# Altium PCB SL-CA025-ESP07S_V2.2.PcbDoc (part 1 of 2)
Units mm, origin at the board's own origin, x right, y up, seen from the top; angles counter-clockwise.
Board outline 103.07 x 31.12 mm, 2 copper layers (Top Layer, Bottom Layer); 79 components, 70 nets, 272 pads, 105 vias.
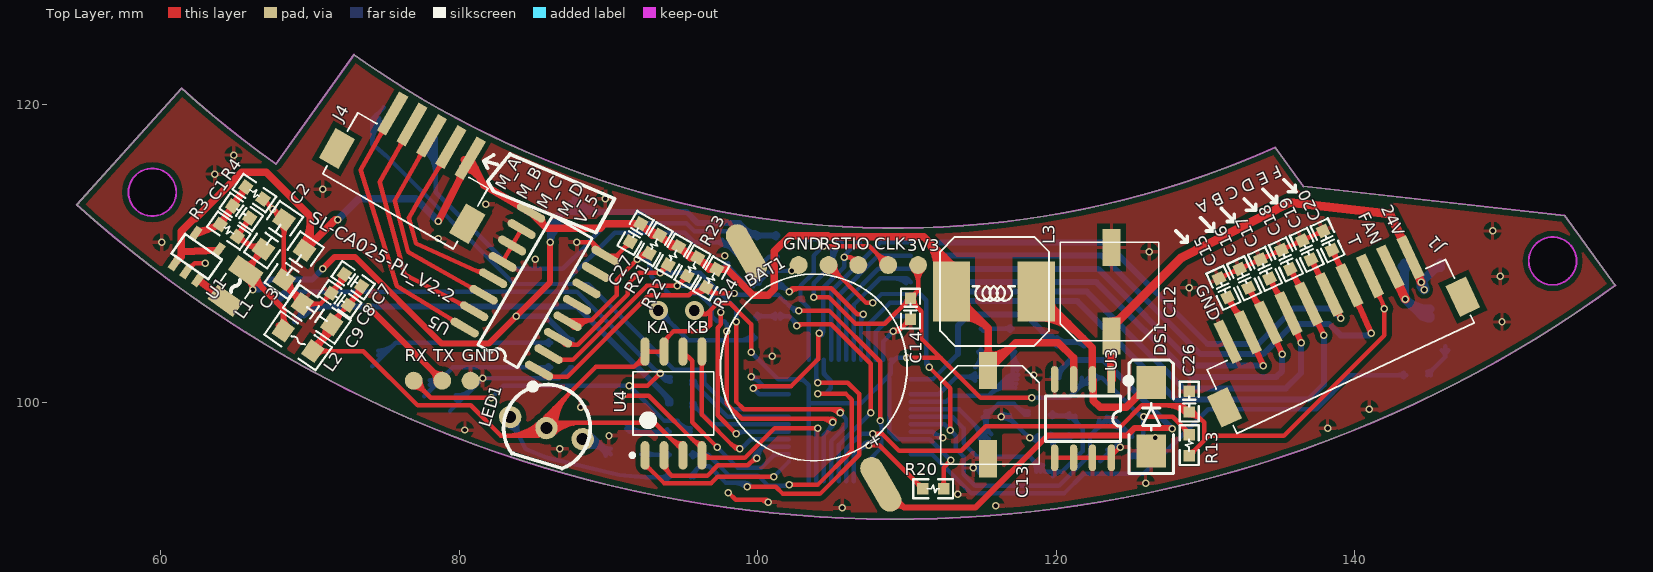
[diagram p0: Top Layer view]
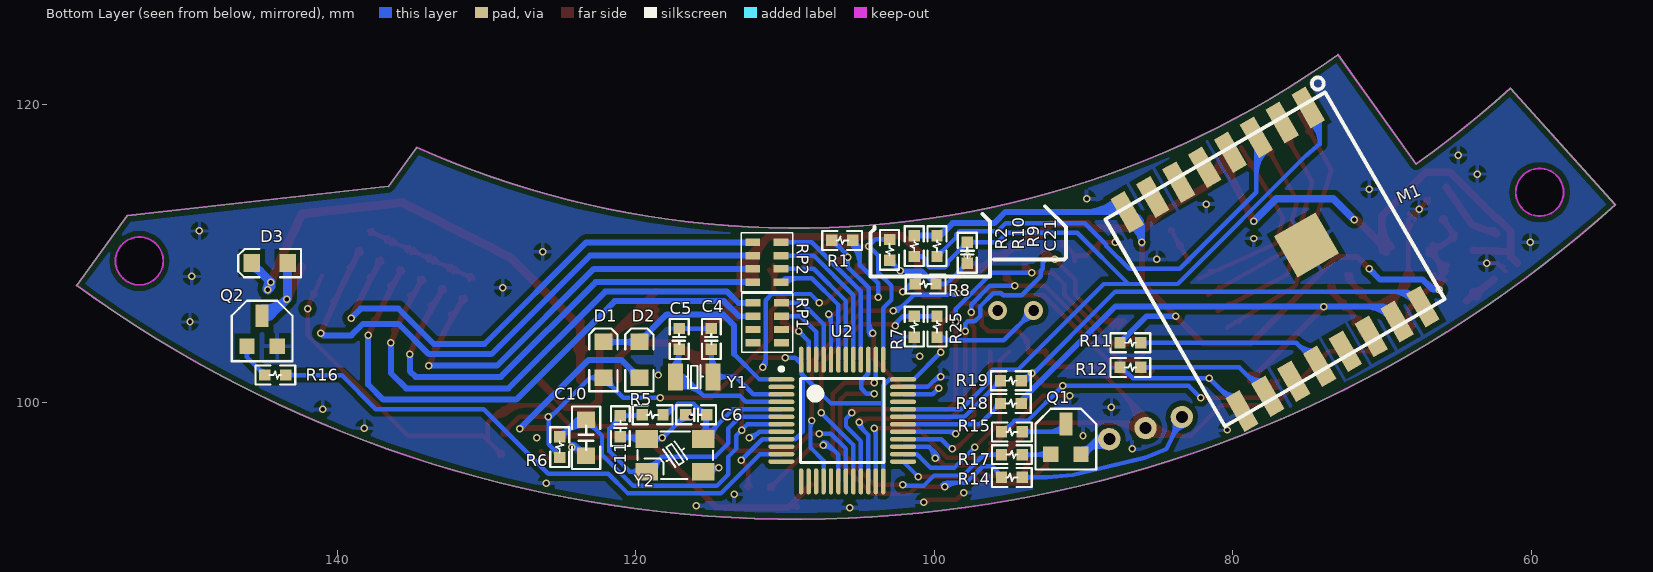
[diagram p1: Bottom Layer view, seen from below]
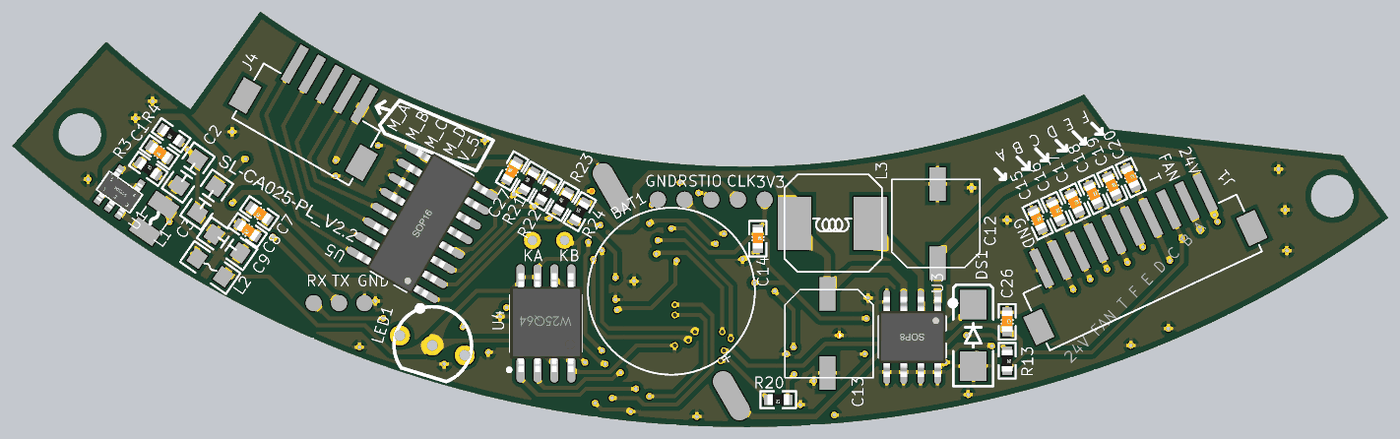
[diagram p3: 3D render of the assembled board from above, using the file's embedded part models]
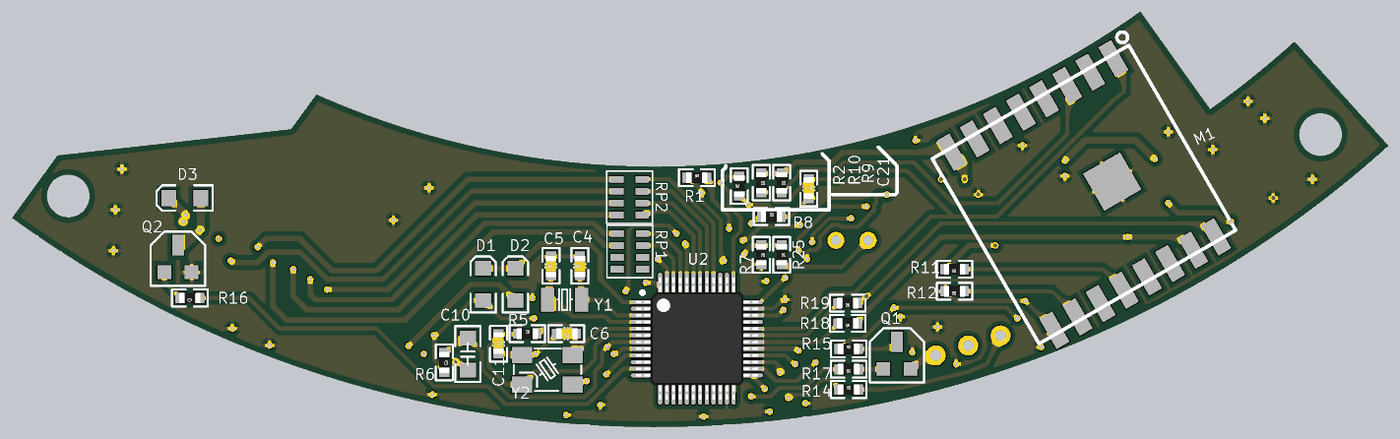
[diagram p4: 3D render of the assembled board from below, using the file's embedded part models]

## Layer stack, top to bottom
Top Layer: signal copper 0.0356
Dielectric: dielectric 0.32, FR-4, Dk 4.8
Bottom Layer: signal copper 0.0356

## Board outline
54.384,113.257 61.41,121.06 ccw(c109.253,174.195) 67.733,115.985 72.959,123.312 ccw(c109.253,174.195) 134.669,117.096 136.559,114.495 154.055,112.529 157.451,107.855 cw(c109.253,174.195)
cut-out: 59.453,112.495 cw(c59.453,114.095) 57.853,114.095 cw(c59.453,114.095) 59.453,115.695 cw(c59.453,114.095) 61.053,114.095 cw(c59.453,114.095)
cut-out: 151.653,109.495 ccw(c153.253,109.495) 153.253,107.895 ccw(c153.253,109.495) 154.853,109.495 ccw(c153.253,109.495) 153.253,111.095 ccw(c153.253,109.495)

## Design rules (kind name [scope] priority, off if disabled: settings)
Clearance Clearance_1 [InPolygon] p1: gap=0.35
Clearance [All] p2: gap=0.2
PolygonConnect [All] p1: connectstyle=Relief reliefconductorwidth=0.254 reliefentries=4 polygonreliefangle="90 Angle"
RoutingVias [All] p1: holewidth=0.711 width=1.27 viastyle="Through Hole" minholewidth=0.711 minwidth=1.27 maxholewidth=0.711 maxwidth=1.27
SilkscreenOverComponentPads [All] p1: minsilkscreentomaskgap=0.254
SolderMaskExpansion [All] p1: expansion=0.102
Width [All] p1: maxlimit=5 minlimit=0.254 preferedwidth=0.254
27 further rules are at their usual default settings.

## Classes and differential pairs
component class SL-CA025-ESP07S_V1.0: 3.3 BAT1 C1 C2 C3 C4 C5 C6 C7 C8 C9 C10 C11 C12 C13 C14 C15 C16 C17 C18 C19 C20 C21 C26 C27 CLK D1 D2 D3 DS1 GND IO J1 J4 L1 L2 L3 LED1 M1 Q1 Q2 R1 R2 R3 R4 R5 R6 R7 R8 R9 R10 R11 R12 R13 R14 R15 R16 R17 R18 R19 R20 R21 R22 R23 R24 R25 RP1 RP2 RST U1 U2 U3 U4 U5 Y2

## Components (designator, comment, footprint, x,y, rotation, side; value= is the part's Value field where it differs from the comment)
3V3 "TP" TP1 110.744,109.22 r90 top
BAT1 "BATTRY" BAT_1220 103.759,102.362 r300 top
C1 "10pF" C0603 65.405,112.776 r145 top
C2 "10uF/10V" C0805 67.564,111.252 r55 top
C3 "10uF/10V" C0805 68.961,109.22 r235 top
C4 "10P" C0603 114.935,104.267 r90 bottom
C5 "10P" C0603 117.094,104.267 r90 bottom
C6 "10P" C0603 115.951,99.187 r0 bottom
C7 "10P" C0603 72.898,108.204 r145 top
C8 "104P" C0603 72.009,106.934 r145 top
C9 "10uF" C0805 70.485,105.918 r145 top
C10 "10uF" C0805 123.317,97.663 r270 bottom
C11 "10P" C0603 121.031,98.425 r270 bottom
C12 "47uF/35V" C_SMT63(5.9*6.6mm) 123.698,107.442 r270 top
C13 "220uF/10V" C_SMT63(5.9*6.6mm) 115.443,99.187 r90 top
C14 "104P" C0603 110.236,106.299 r270 top
C15 "22P" C0603 131.191,107.696 r295 top
C16 "22P" C0603 132.588,108.331 r295 top
C17 "22P" C0603 133.985,108.966 r295 top
C18 "22P" C0603 135.382,109.601 r295 top
C19 "22P" C0603 136.779,110.236 r295 top
C20 "22P" C0603 138.176,110.871 r295 top
C21 "104" C0603 97.79,110.045 r270 bottom
C26 "33P" C0603 128.905,100.076 r270 top
C27 "Cap" C0603 91.821,111.379 r60 top
CLK "TP" TP1 108.744,109.22 r90 top
D1 "1N4148" D0805 122.174,102.87 r90 bottom
D2 "1N4148" D0805 119.761,102.87 r90 bottom
D3 "1N4148" D0805 144.526,109.347 r0 bottom
DS1 "SS26" SMA 126.365,99.06 r90 top
GND "TP" TP1 80.772,101.473 r90 top (schematic designator 3V3)
GND "TP" TP1 102.744,109.22 r90 top
IO "TP" TP1 106.744,109.22 r0 top
J1 "Header 10" CON10_1.5mm 138.43,105.156 r295 top
J4 "Header 5" con5_1.5mm 79.121,115.062 r240 top
L1 "2.2uH" L2520 65.024,107.823 r55 top
L2 "47uH" L0805 69.215,104.14 r325 top
L3 "47uH" L_SMRH_7.3x7.3 115.824,107.442 r180 top
LED1 "LED" LED_2K 85.852,98.298 r343 top
M1 "ESP-07S Module" "ESP-07S Module" 77.851,109.22 r240 bottom
Q1 "S8550" SOT23-3 91.186,97.536 r180 bottom
Q2 "S8050" SOT23-3 145.034,104.775 r180 bottom
R1 "10k" R0603 106.172,110.871 r180 bottom
R2 "10k" R0603 102.997,110.236 r90 bottom
R3 "100K" R0603 64.579,111.534 r325 top
R4 "22K" R0603 66.294,114.046 r145 top
R5 "1M" R0603 118.872,99.187 r180 bottom
R6 "10K" R0603 125.095,97.028 r270 bottom
R7 "10K" R0603 101.346,105.093 r270 bottom
R8 "10K" R0603 100.584,107.95 r180 bottom
R9 "10K" R0603 99.822,110.49 r270 bottom
R10 "10K" R0603 101.346,110.49 r270 bottom
R11 "10K" R0603 86.868,104.013 r0 bottom
R12 "1K" R0603 86.868,102.362 r0 bottom
R13 "10K" R0603 128.905,97.155 r270 top
R14 "10K" R0603 94.805,94.996 r180 bottom
R15 "1K" R0603 94.805,98.044 r180 bottom
R16 "10K" R0603 144.145,101.854 r0 bottom
R17 "10K" R0603 94.805,96.52 r0 bottom
R18 "0R" R0603 94.869,99.949 r0 bottom
R19 "0R" R0603 94.869,101.473 r0 bottom
R20 "470K" R0603 111.76,94.234 r180 top
R21 "Res1" R0603 93.091,110.617 r60 top
R22 "Res1" R0603 94.361,109.855 r60 top
R23 "Res1" R0603 95.631,109.093 r60 top
R24 "Res1" R0603 96.901,108.331 r60 top
R25 "1K" R0603 99.822,105.093 r270 bottom
RP1 "330R" RP4_0603 111.188,105.341 r180 bottom
RP2 "330R" RP4_0603 111.213,109.405 r180 bottom
RST "TP" TP1 104.744,109.22 r90 top
RX "TP" TP1 76.962,101.473 r90 top (schematic designator 3V3)
TX "TP" TP1 78.867,101.473 r90 top (schematic designator 3V3)
U1 "SY8009" SOT23-5 60.96,109.347 r145 top
U2 "STM32F103C8T6" LQFP48_9.2x9.2mm 106.172,98.806 r180 bottom
U3 "AX3007" SOP8_N 121.793,98.933 r270 top
U4 "W25Q64" SOIC8 94.361,99.949 r90 top
U5 "ULN2003" SOP16 85.09,107.442 r150 top
Y1 "32.768k" XALT_3215 116.078,101.727 r180 bottom
Y2 "8M" XALT_5032_4P 117.348,96.393 r180 bottom

## Footprints (in the part's own frame and the unit in brackets; to place one, negate y for a bottom-side part, rotate by r counter-clockwise, add the part's x,y. Pads: shape width x height; smd on the part's side, far side on the other; paste and mask are expansions set on the pad)
BAT_1220 [mm]
  oval 4x1.524 smd: 1(-8.975,-0.025) 2(9.025,-0.025)
  silkscreen extent -6.25,-6.25 6.25,6.24, body extent -8.96,-6.21 9.04,6.29, height 2
C0603 [mil]
  rect 30x30 smd: 1(-27.5,0) 2(27.5,0)
  silkscreen extent -53,-25 53,25, body extent -33,-16 30,16, height 12
C0805 [mm]
  rect 1.1x1.2 smd: 1(-1.19,-0.006) 2(1.21,-0.006)
  silkscreen extent -2.09,-0.96 2.11,0.94, body extent -1.15,-0.65 0.89,0.66, height 0.82
C_SMT63(5.9*6.6mm) [mm]
  rect 2.5x1.2 smd: 1(2.975,0) 2(-2.95,0)
  silkscreen extent -3.3,-3.43 3.3,3.17, body extent -3.77,-3.35 3.92,3.15, height 7.87
con5_1.5mm [mm] "Connector; Header; 5 Position"
  rect 2.3x1.5 smd: 0(1.95,2.775) 0(1.95,-7.3)
  rect 3x0.7 smd: 1(-1.95,-5.25) 2(-1.95,-3.75) 3(-1.95,-2.25) 4(-1.95,-0.75) 5(-1.95,0.75)
  silkscreen extent -0.83,-7.29 3.88,2.8
CON10_1.5mm [mm]
  rect 2.3x1.5 smd: 0(1.938,-8.8) 0(1.963,8.8)
  rect 3x0.7 smd: 1(-1.963,-6.75) 2(-1.963,-5.25) 3(-1.963,-3.75) 4(-1.963,-2.25) 5(-1.963,-0.75) 6(-1.963,0.75) 7(-1.938,2.25) 8(-1.938,3.75) 9(-1.913,5.25) 10(-1.913,6.75)
  silkscreen extent -0.84,-8.79 3.87,8.81, body extent -2.65,-9 3.85,9, height 3.6
D0805 [mm]
  rect 1.1x1.2 smd: 1(-1.2,0) 2(1.2,0)
  silkscreen extent -2.1,-0.95 2.1,0.95, body extent -1.35,-0.64 1.27,0.63, height 0.8
"ESP-07S Module" [mm]
  rect 3.2x3.2 smd: 0(0.22,3.092)
  rect 2.6x1.1 smd: 1(-7.7,7.775) 2(-7.7,5.762) 3(-7.7,3.775) 4(-7.7,1.775) 5(-7.7,-0.225) 6(-7.7,-2.225) 7(-7.7,-4.225) 8(-7.7,-6.225) 9(7.7,-6.225) 10(7.7,-4.225) 11(7.7,-2.225) 12(7.7,-0.225) 13(7.7,1.775) 14(7.7,3.775) 15(7.7,5.775) 16(7.7,7.769)
  silkscreen extent -9.16,-7.73 8,9.54
L0805 [mm]
  rect 1.1x1.2 smd: 1(-1.2,0) 2(1.2,0)
  silkscreen extent -2.1,-0.95 2.1,0.95, body extent -1.02,-0.65 1.02,0.65, height 0.6
L2520 [mm]
  rect 1.2x2.1 smd: 1(-1.2,0) 2(1.2,0)
  silkscreen extent -0.51,-1 0.51,1, body extent -1.68,-1.5 1.68,1.5, height 2.2
L_SMRH_7.3x7.3 [mm] "7.3x7.3x3.8mm 屏?"
  rect 2.5x4 smd: 1(-2.837,0) 2(2.838,0)
  silkscreen extent -3.69,-3.67 3.61,3.63, body extent -3.72,-3.67 3.58,3.63, height 3.8
LED_2K [mm]
  round 1.5 hole 0.8: A(0,0) K1(-2.54,0) K2(2.54,0)
  silkscreen extent -2.87,-2.3 2.93,2.92, body extent -1.75,-1.91 1.72,1.88, height 2.5
LQFP48_9.2x9.2mm [mm]
  oval 1.75x0.3 smd: 1(-4.075,2.75) 2(-4.075,2.25) 3(-4.075,1.75) 4(-4.075,1.25) 5(-4.075,0.75) 6(-4.075,0.25) 7(-4.075,-0.25) 8(-4.075,-0.75) 9(-4.075,-1.25) 10(-4.075,-1.75) 11(-4.075,-2.25) 12(-4.075,-2.75) 25(4.075,-2.75) 26(4.075,-2.25) 27(4.075,-1.75) 28(4.075,-1.25) 29(4.075,-0.75) 30(4.075,-0.25) 31(4.075,0.25) 32(4.075,0.75) 33(4.075,1.25) 34(4.075,1.75) 35(4.075,2.25) 36(4.075,2.75)
  oval 0.3x1.75 smd: 13(-2.75,-4.075) 14(-2.25,-4.075) 15(-1.75,-4.075) 16(-1.25,-4.075) 17(-0.75,-4.075) 18(-0.25,-4.075) 19(0.25,-4.075) 20(0.75,-4.075) 21(1.25,-4.075) 22(1.75,-4.075) 23(2.25,-4.075) 24(2.75,-4.075) 37(2.75,4.075) 38(2.25,4.075) 39(1.75,4.075) 40(1.25,4.075) 41(0.75,4.075) 42(0.25,4.075) 43(-0.25,4.075) 44(-0.75,4.075) 45(-1.25,4.075) 46(-1.75,4.075) 47(-2.25,4.075) 48(-2.75,4.075)
  silkscreen extent -4.2,-2.8 2.8,3.57, body extent -4.57,-4.57 4.57,4.57, height 1.62
R0603 [mil]
  rect 30x30 smd: 1(-27.5,0) 2(27.5,0)
  silkscreen extent -52,-25 52,25, body extent -31,-16 31,16, height 12
RP4_0603 [mm]
  rect 1x0.5 smd: 1(-0.952,1.339) 2(-0.953,0.45) 3(-0.953,-0.439) 4(-0.953,-1.328) 5(0.952,-1.339) 6(0.953,-0.439) 7(0.953,0.439) 8(0.953,1.339)
  silkscreen extent -1.71,-1.96 1.71,1.97, body extent -0.81,-1.61 0.79,1.59, height 0.61
SMA [mm] "5.6x3.0mm"
  rect 2.2x2 smd: 1(-2.3,0) 2(2.3,0)
  silkscreen extent -3.8,-1.5 3.8,1.5, body extent -2.7,-1.25 2.6,1.29, height 2.1
SOIC8 [mm]
  oval 1.9x0.6 smd: 1(-3.475,1.905) 2(-3.475,0.635) 3(-3.475,-0.635) 4(-3.475,-1.905) 5(3.475,-1.905) 6(3.475,-0.635) 7(3.475,0.635) 8(3.475,1.905)
  silkscreen extent -3.6,-2.7 2.13,2.88, body extent -3.65,-2.72 3.76,2.68, height 1.85
SOP8_N [mm]
  rect 1.8x0.5 smd: 1(-2.625,1.905)
  oval 1.8x0.5 smd: 2(-2.625,0.635) 3(-2.625,-0.635) 4(-2.625,-1.905) 5(2.625,-1.905) 6(2.625,-0.635) 7(2.625,0.635) 8(2.625,1.905)
  silkscreen extent -2.69,-2.5 1.52,3.2, body extent -3,-2.5 3,2.5, height 1.9
SOP16 [mm]
  oval 2.1x0.55 smd: 1(-2.875,4.445) 2(-2.875,3.175) 3(-2.875,1.905) 4(-2.875,0.635) 5(-2.875,-0.635) 6(-2.875,-1.905) 7(-2.875,-3.175) 8(-2.875,-4.445) 9(2.875,-4.445) 10(2.875,-3.175) 11(2.875,-1.905) 12(2.875,-0.635) 13(2.875,0.635) 14(2.875,1.905) 15(2.875,3.175) 16(2.875,4.445)
  silkscreen extent -3.2,-5 1.52,5.74, body extent -3,-5 3,5, height 1.9
SOT23-3 [mil]
  rect 40x40 smd: 1(-40,-39.02) 2(40,-39.02)
  rect 35x60 smd: 3(0,40.98)
  silkscreen extent -80,-79 80,81, body extent -57,-44 57,46, height 39
SOT23-5 [mm]
  rect 0.5x1 smd: 1(0,0) 2(-0.95,0) 3(-1.9,0) 4(-1.9,-2.4) 5(0,-2.4)
  silkscreen extent -2.45,-2 0.55,-0.4, body extent -2.4,-2.6 0.5,0.2, height 1.09
TP1 [mm]
  round 1.2 smd: 1(0,0)
XALT_3215 [mm]
  rect 1x1.8 smd: 1(-1.261,0) 2(1.261,0)
  silkscreen extent -0.52,-0.79 0.58,0.8, body extent -1.6,-0.75 1.6,0.75, height 0.8
XALT_5032_4P [mm]
  rect 1.5x1.2 smd: 1(-1.922,-1.022) 2(-1.922,1.18) 3(1.871,1.18) 4(1.871,-1.022)
  silkscreen extent -2.54,-1.51 2.52,1.67, body extent -2.49,-1.51 2.51,1.69, height 1.2

## Part data
C27: "Capacitor"
D1 D2 D3 DS1: library part DIODE, "DIODE"
J1: library part "Header 10H", "Header, 10-Pin, Right Angle"
J4: "Header, 5-Pin"
L3: library part INDUCTOR, "Inductor"
LED1: library part LED_2K, "共?"
Q1: library part PNP
R9 R10 R11 R12 R13 R20: library part Res1, "Resistor"
R21 R22 R23 R24: "Resistor"
U5: "电?"

## Via types
v1: diameter 0.5, hole 0.3, Top Layer to Bottom Layer, 103 vias
v2: diameter 1.27, hole 0.711, Top Layer to Bottom Layer, 2 vias

## Nets (pads, with @x,y where several pads share a name; then routed paths per layer and width w, separated by ;. In a path a pad name is that pad's centre, name@x,y a point inside that pad or via, vN(x,y) a via of type N, cw(c..) or ccw(c..) an arc to the next point about the centre after c; other vN are vias at no path point)
ADC_KEY: R20.2 U2.18 | length 10.4
  Top Layer w0.3: v1(107.442,97.155) 108.14,97.155 R20.2@111.061,94.234 ; R20.2@110.83,94.234 ccw(c110.273,94.234) 110.667,94.628 ccw(c111.061,95.023) R20.2@111.061,94.465
  Bottom Layer w0.3: U2.18@106.422,94.731 106.422,96.516 107.188,97.282 ; 106.621,96.715 cw(c107.442,95.894) v1@107.442,97.055 ; 107.133,97.227 cw(c107.442,96.918) v1@107.442,97.355 ; v1@107.343,97.144 ccw(c107.188,97.126) 107.188,97.282 ; v1(107.442,97.155) 107.315,97.282 107.188,97.282
BOOT0: R8.1 U2.44 | length 12.8
  Top Layer w0.3: v1(102.108,107.442) 102.327,107.661 104.937,107.661 106.68,105.918 v1(107.061,105.918) ; v1@102.179,107.371 cw(c102.878,106.672) 102.878,107.661
  Bottom Layer w0.3: R8.1@101.275,108.019 cw(c101.33,107.542) 101.669,107.881 ; R8.1@101.282,107.95 101.6,107.95 v1(102.108,107.442) ccw(c101.42,106.754) R8.1@101.309,107.721 ; U2.44@106.922,102.881 106.922,105.906 107.061,106.045 v1(107.061,105.918) ; 106.922,105.341 cw(c107.638,105.341) v1@107.132,105.847
BOOT1: R7.1 R25.1 U2.20 | length 21.5
  Top Layer w0.3: v1(102.616,105.156) 102.708,105.248 104.937,105.248 107.569,102.616 v1(107.569,99.314) ; v1@102.687,105.085 cw(c103.08,104.692) 103.08,105.248
  Bottom Layer w0.3: R25.1@99.822,105.791 R7.1@101.346,105.791 102.108,105.791 102.616,105.283 v1(102.616,105.156) ; R25.1@99.985,105.628 cw(c100.38,105.233) 100.38,105.791 cw(c100.38,106.349) R25.1@99.985,105.954 ; R7.1@101.183,105.628 ccw(c100.788,105.233) 100.788,105.791 ccw(c100.788,106.349) R7.1@101.183,105.954 ; R7.1@101.509,105.628 cw(c101.904,105.233) 101.904,105.791 cw(c101.904,106.349) R7.1@101.509,105.954 ; 102.355,105.544 cw(c101.968,105.156) v1@102.516,105.156 ; U2.20@105.422,94.731 105.422,97.167 v1(107.569,99.314)
CS: U2.12
DC: U2.14
FAN: D3.1 J1.9 Q2.3 | length 10.5
  Top Layer w0.6: J1.9@142.38,109.108 v1(143.383,106.934)
  Bottom Layer w0.6: D3.1@143.149,109.12 cw(c142.722,108.693) 143.326,108.693 cw(c143.93,108.693) D3.1@143.503,109.12 ; D3.1@143.326,109.347 143.326,106.991 v1(143.383,106.934) ; 144.369,105.948 ccw(c145.021,106.6) Q2.3@145.046,105.678 ; Q2.3@145.03,106.278 cw(c144.969,108.52) v1(143.383,106.934) ; Q2.3@145.034,105.816 144.501,105.816 v1(143.383,106.934)
FAN_PWM: R16.1 U2.11 | length 38.5
  Bottom Layer w0.3: U2.11@110.247,96.556 111.678,96.556 114.313,93.921 120.523,93.921 121.852,95.25 125.857,95.25 130.175,99.568 137.414,99.568 139.7,101.854 R16.1@143.446,101.854 ; R16.1@143.283,101.691 ccw(c142.889,101.296) 142.889,101.854 ccw(c142.889,102.412) R16.1@143.283,102.017
GND: BAT1.1 C2.2 C3.2 C4.2 C5.2 C6.2 C7.2 C8.2 C9.2 C10.2 C11.2 C12.2 C13.2 C14.2 C15.1 C16.1 C17.1 C18.1 C19.1 C20.1 C21.2 C26.1 C27.1 DS1.1 GND.1 J1.1 M1.0 M1.9 Q2.2 R2.1 R4.1 R7.2 R8.2 R12.2 U1.2 U2.8 U2.23 U2.35 U2.47 U3.4 U3.5 U3.6 U3.7 U3.8 U4.4 U5.8 U5.10 U5.11 U5.12 Y2.2 Y2.4 | length 146.7
  Top Layer w0.3: U1.2@61.738,108.802 62.283,109.347 v1(62.992,109.347) ; U1.2@61.882,109.107 ccw(c61.882,109.497) 62.157,109.221 ; R4.1@66.866,113.414 cw(c66.866,112.878) 67.245,113.257 ; R4.1@66.866,113.645 66.866,113.636 C2.2@68.263,112.24 68.263,107.851 C9.2@69.497,106.617 70.719,106.617 C8.2@71.437,107.335 72.326,108.224 C7.2@72.326,108.605 ; R4.1@67.097,113.645 ccw(c67.676,113.645) 67.267,113.236 ; v1(67.531,112.972) cw(c66.827,112.268) C2.2@67.822,112.268 ; v1@67.56,112.942 ccw(c68.222,113.604) C2.2@68.222,112.668 ; v1@67.627,112.998 ccw(c67.896,113.07) 67.757,112.829 ; C3.2@67.938,108.544 ccw(c67.154,109.328) 68.263,109.328 ; C2.2@68.021,111.928 cw(c67.437,111.344) 68.263,111.344 ; 68.263,109.125 ccw(c69.085,109.125) C3.2@68.504,108.544 ; 68.263,111.146 cw(c69.369,111.146) C2.2@68.587,111.928 ; C3.2@68.403,108.204 ccw(c69.591,108.204) 68.751,107.364 ; C3.2@68.703,108.204 ccw(c70.615,108.204) C9.2@69.263,106.851 ; 68.724,107.39 ccw(c69.526,108.192) C9.2@69.526,107.058 ; 68.771,107.703 ccw(c69.995,108.41) C9.2@69.63,107.044 ; 68.893,107.222 cw(c68.329,106.658) C9.2@69.126,106.658 ; 69.088,107.155 cw(c68.639,106.896) C9.2@69.14,106.762 ; 69.134,107.076 ccw(c69.73,107.42) C9.2@69.552,106.755 ; C9.2@69.809,106.375 cw(c70.393,105.791) 70.393,106.617 ; C9.2@69.809,106.941 ccw(c70.591,107.723) 70.591,106.617 ; C8.2@71.206,107.335 cw(c70.648,107.335) 71.042,106.94 cw(c71.437,106.546) C8.2@71.437,107.104 ; C8.2@71.377,107.558 ccw(c71.16,108.368) 71.887,107.949 ; C8.2@71.437,107.566 ccw(c71.437,108.123) 71.831,107.729 ccw(c72.226,107.335) C8.2@71.668,107.335 ; C8.2@71.662,107.56 ccw(c70.617,108.605) C7.2@72.095,108.605 ; 72.174,108.072 ccw(c71.642,108.605) C7.2@72.395,108.605 ; U5.12@82.885,109.55 ccw(c82.807,109.842) 83.069,109.691 ccw(c83.33,109.54) U5.12@83.038,109.462 ; U5.12@82.918,109.429 U5.11@83.553,110.529 U5.10@84.188,111.629 ; U5.11@83.432,110.497 cw(c83.14,110.419) 83.402,110.268 cw(c83.663,110.117) U5.11@83.585,110.409 ; U5.11@83.52,110.65 ccw(c83.442,110.942) 83.704,110.791 ccw(c83.965,110.64) U5.11@83.673,110.562 ; U5.10@84.067,111.597 cw(c83.775,111.519) 84.037,111.368 cw(c84.298,111.217) U5.10@84.22,111.508 ; v1(87.884,110.744) 88.912,110.744 ; U5.8@89.014,110.284 ccw(c88.603,110.435) 88.912,110.744 ; U5.8@90.598,109.466 cw(c91.647,109.466) 90.906,110.208 ; v1(90.932,100.457) 92.71,100.457 96.266,96.901 U4.4@96.266,96.474 96.439,96.301 99.135,96.301 101.132,98.298 v1(104.013,98.298) ; C27.1@91.241,110.774 cw(c90.683,110.774) 91.077,110.38 cw(c91.472,109.985) C27.1@91.472,110.543 ; C27.1@91.472,110.774 90.552,109.854 U5.8@89.802,109.854 88.912,110.744 ; 95.629,97.538 ccw(c96.266,98.175) U4.4@96.266,97.274 ; U4.4@96.372,96.58 ccw(c97.046,97.254) 97.046,96.301 ; v1(98.044,93.98) 98.532,93.492 100.597,93.492 100.711,93.378 v1(100.711,93.345) ; 100.115,93.492 cw(c100.115,92.749) v1@100.64,93.274 ; v1(109.093,104.775) 109.41,104.775 C14.2@110.236,105.6 ; v1@109.093,104.875 ccw(c109.093,105.883) 109.806,105.17 ; C14.2@110.005,105.6 cw(c109.447,105.6) 109.842,105.206 cw(c110.236,104.812) C14.2@110.236,105.369 ; U3.5@119.817,96.237 U3.5@119.888,96.308 U3.7@122.428,96.308 U3.8@123.698,96.308 123.698,96.441 v1(124.285,97.028) ; DS1.1@125.913,96.308 DS1.1@126.365,96.76 ; C15.1@130.896,108.329 C16.1@132.293,108.964 C17.1@133.69,109.599 C18.1@135.087,110.234 C19.1@136.484,110.869 C20.1@137.881,111.504 ; C15.1@130.977,108.545 ccw(c131.173,109.068) 131.403,108.56 ccw(c131.634,108.052) C15.1@131.112,108.248 ; C16.1@132.077,109.045 cw(c131.554,109.241) 131.785,108.733 cw(c132.016,108.226) C16.1@132.212,108.748 ; C16.1@132.374,109.18 ccw(c132.57,109.703) 132.8,109.195 ccw(c133.031,108.687) C16.1@132.509,108.883 ; C17.1@133.474,109.68 cw(c132.951,109.876) 133.182,109.368 cw(c133.413,108.861) C17.1@133.609,109.383 ; C17.1@133.771,109.815 ccw(c133.967,110.338) 134.197,109.83 ccw(c134.428,109.322) C17.1@133.906,109.518 ; C18.1@134.871,110.315 cw(c134.348,110.511) 134.579,110.003 cw(c134.81,109.496) C18.1@135.006,110.018 ; C18.1@135.168,110.45 ccw(c135.364,110.973) 135.594,110.465 ccw(c135.825,109.957) C18.1@135.303,110.153 ; C19.1@136.268,110.95 cw(c135.745,111.146) 135.976,110.638 cw(c136.207,110.131) C19.1@136.403,110.653 ; C19.1@136.565,111.085 ccw(c136.761,111.608) 136.991,111.1 ccw(c137.222,110.592) C19.1@136.7,110.788 ; C20.1@137.665,111.585 cw(c137.142,111.781) 137.373,111.273 cw(c137.604,110.766) C20.1@137.8,111.288
  Bottom Layer w0.3: M1.9@79.392,99.439 v1(81.584,101.631) 86.695,101.631 87.426,102.362 R12.2@87.567,102.362 ; M1.9@79.767,100.189 ccw(c79.767,101.093) 80.406,100.453 ; M1.9@79.767,100.489 ccw(c79.767,102.117) 80.918,100.966 ; 86.933,101.869 cw(c87.567,101.235) R12.2@87.567,102.131 ; C21.2@97.79,109.116 cw(c97.79,108.558) 98.184,108.953 cw(c98.579,109.347) C21.2@98.021,109.347 ; C21.2@97.79,109.347 99.187,107.95 R8.2@99.885,107.95 99.945,107.95 100.834,108.839 v1(102.298,108.839) R2.1@102.997,109.537 ; v1@99.568,101.627 cw(c99.568,100.87) 100.103,101.405 ; v1(99.568,101.727) 99.782,101.727 100.453,101.056 U2.35@102.097,101.056 ; R8.2@99.722,107.787 ccw(c99.328,107.392) 99.328,107.95 ccw(c99.328,108.508) R8.2@99.722,108.113 ; R8.2@99.885,108.181 ccw(c99.885,108.881) 100.381,108.386 ; R8.2@100.117,107.95 cw(c100.532,107.95) R8.2@100.238,108.243 ; R2.1@102.766,109.537 cw(c102.208,109.537) 102.603,109.143 cw(c102.997,108.749) R2.1@102.997,109.306 ; U2.23@103.922,94.731 103.922,98.207 v1(104.013,98.298) ; 103.922,97.837 cw(c104.474,97.837) v1@104.084,98.227 ; U2.47@108.422,102.881 108.422,104.104 v1(109.093,104.775) ; U2.8@110.247,98.056 111.734,98.056 112.127,97.663 v1(112.395,97.663) ; 111.767,98.023 ccw(c112.395,98.652) v1@112.395,97.763 ; Y2.4@114.889,95.267 ccw(c114.427,95.156) v1(114.427,95.631) 115.217,95.631 Y2.4@115.477,95.371 ; C4.2@114.935,104.965 C5.2@117.094,104.965 ; C4.2@115.098,104.802 cw(c115.493,104.408) 115.493,104.965 cw(c115.493,105.523) C4.2@115.098,105.129 ; C6.2@116.332,98.96 cw(c116.332,97.645) 117.262,98.575 ; C6.2@116.332,99.26 cw(c116.332,98.67) C6.2@116.749,99.087 ; C6.2@116.649,98.956 cw(c116.649,98.398) 117.044,98.793 cw(c117.438,99.187) C6.2@116.881,99.187 ; C6.2@116.649,99.187 v1@118.264,97.573 ; C5.2@116.931,104.802 ccw(c116.536,104.408) 116.536,104.965 ccw(c116.536,105.523) C5.2@116.931,105.129 ; 117.958,97.879 ccw(c118.237,98.158) v1@118.237,97.763 ; v1@118.308,97.734 ccw(c118.697,98.123) Y2.2@118.697,97.573 ; v1@118.324,97.713 ccw(c118.77,97.971) Y2.2@118.637,97.473 ; Y2.2@118.75,97.317 ccw(c118.264,96.983) v1@118.264,97.573 ; Y2.2@118.75,97.828 cw(c118.264,98.162) v1@118.264,97.573 ; Y2.2@119.526,97.467 cw(c120.154,96.839) 120.154,97.727 ; Y2.2@119.634,97.936 Y2.2@119.424,97.727 ; Y2.2@119.738,97.254 cw(c120.878,96.115) C11.2@120.878,97.727 ; Y2.2@119.738,97.891 ccw(c120.135,98.287) 120.135,97.727 ; 120.39,97.596 cw(c120.569,96.926) C11.2@120.916,97.526 ; 120.574,97.645 ccw(c120.465,98.053) C11.2@120.831,97.842 ; C11.2@120.868,97.563 ccw(c120.473,97.169) 120.473,97.727 ccw(c120.473,98.284) C11.2@120.868,97.89 ; C11.2@121.031,97.727 Y2.2@119.424,97.727 ; C10.2@122.946,96.075 C10.2@123.323,96.453 123.898,97.028 ; C10.2@123.41,96.851 ccw(c123.466,97.46) 123.898,97.028 ; C10.2@123.454,96.584 cw(c124.285,95.754) v1@124.285,96.928 ; C10.2@123.762,96.546 cw(c124.26,96.666) 123.898,97.028 ; 123.966,97.096 cw(c124.285,96.778) v1@124.285,97.228 ; v1(124.285,97.028) 123.898,97.028 ; v1@118.264,97.573 Y2.2@119.27,97.573 Y2.2@119.424,97.727
  other v1: 105.664,92.964 115.951,93.091 113.411,93.853 125.984,94.615 86.741,96.901 118.237,97.663 126.619,97.663 90.043,97.79 80.391,98.171 138.176,98.298 116.332,99.06 140.97,99.568 88.138,99.695 118.491,101.854 100.965,103.124 149.86,105.41 128.905,107.696 149.733,108.458 85.09,109.601 97.79,109.855 126.238,110.109 60.071,110.744 78.613,110.998 149.225,111.506 81.788,113.284 89.789,113.665 70.866,114.3 63.627,115.316 64.897,116.586
I_PWM1: RP2.6 U2.42 | length 9.2
  Bottom Layer w0.3: U2.42@105.922,102.881 105.922,106.811 108.077,108.966 RP2.6@110.261,108.966
I_PWM2: RP2.5 U2.43 | length 9.6
  Bottom Layer w0.3: U2.43@106.422,102.881 106.422,106.549 108.204,108.331 109.996,108.331 RP2.5@110.261,108.066 ; 109.13,108.331 cw(c109.13,107.185) RP2.5@109.94,107.995 ; 109.854,108.331 cw(c109.854,107.909) RP2.5@110.152,108.207
I_PWM3: RP1.8 U2.45 | length 5.8
  Bottom Layer w0.3: U2.45@107.422,102.881 107.422,105.263 108.839,106.68 RP1.8@110.236,106.68
I_PWM4: RP1.7 U2.46 | length 4.6
  Bottom Layer w0.3: U2.46@107.922,102.881 107.922,104.747 108.955,105.78 RP1.7@110.236,105.78
I_PWM5: RP2.8 U2.40 | length 11.3
  Bottom Layer w0.3: U2.40@104.922,102.881 104.922,107.462 108.204,110.744 RP2.8@110.261,110.744
I_PWM6: RP2.7 U2.41 | length 10.3
  Bottom Layer w0.3: U2.41@105.422,102.881 105.422,107.2 108.066,109.844 RP2.7@110.261,109.844
KEY_RESET: R25.2 | length 10.7
  Bottom Layer w0.3: v2@93.345,105.687 cw(c93.345,104.516) 94.173,105.344 cw(c95.001,106.172) v2@93.83,106.172 ; v2(93.345,106.172) 95.342,104.175 99.603,104.175 R25.2@99.822,104.394 ; 98.736,104.175 ccw(c98.736,105.48) R25.2@99.659,104.557 ; R25.2@99.46,104.175 ccw(c99.46,104.756) R25.2@99.871,104.345
LED_CTRL: R17.2 U2.39 | length 23.2
  Top Layer w0.3: v1(102.108,94.488) 104.013,94.488 106.299,96.774 106.299,100.203 105.918,100.584 v1(104.013,100.584)
  Bottom Layer w0.3: R17.2@95.504,96.52 96.687,96.52 98.084,95.123 100.021,95.123 100.693,94.451 102.071,94.451 v1(102.108,94.488) ; R17.2@95.667,96.357 cw(c96.062,95.962) 96.062,96.52 cw(c96.062,97.078) R17.2@95.667,96.683 ; 101.777,94.451 ccw(c101.777,94.819) v1@102.037,94.559 ; v1(104.013,100.584) 104.521,100.584 104.902,100.965 104.902,101.469 104.422,101.949 U2.39@104.422,102.881 ; U2.39@104.422,102.156 ccw(c104.922,102.156) 104.568,101.802
LED_STA: R14.1 U2.38 | length 24.6
  Top Layer w0.3: v1(99.314,94.361) 101.219,94.361 101.692,93.888 104.175,93.888 106.807,96.52 106.807,100.584 106.045,101.346 v1(104.013,101.346)
  Bottom Layer w0.3: R14.1@95.504,94.996 95.504,95.123 96.123,95.742 96.758,95.742 97.877,94.623 99.052,94.623 v1(99.314,94.361) ; R14.1@95.735,94.996 cw(c96.599,94.996) 95.988,95.607 ; 98.44,94.623 cw(c98.44,93.487) v1@99.243,94.29 ; 99.164,94.623 cw(c99.164,94.211) v1@99.455,94.502 ; 103.922,101.807 ccw(c104.474,101.807) v1@104.084,101.417 ; U2.38@103.922,102.881 103.922,101.437 v1(104.013,101.346)
MOTO_A: R24.1 U2.16 U5.1 | length 41
  Top Layer w0.3: U5.1@85.357,102.155 85.785,101.727 87.249,101.727 92.71,107.188 95.381,107.188 95.604,107.411 ; U5.1@86.117,101.856 ccw(c86.428,102.167) 86.428,101.727 ; 96.125,107.411 ccw(c96.125,107.974) R24.1@96.611,107.691 ; R24.1@96.324,107.687 cw(c96.014,107.633) 96.237,107.411 ; R24.1@96.352,107.842 cw(c95.604,108.275) 95.604,107.411 ; R24.1@96.512,107.498 ccw(c96.459,107.189) 96.237,107.411 ; R24.1@96.552,107.495 cw(c96.552,106.937) 96.946,107.332 cw(c97.34,107.726) R24.1@96.783,107.726 ; v1(98.425,107.315) 96.963,107.315 R24.1@96.552,107.726 96.237,107.411 ; v1(102.743,106.172) 104.775,106.172 108.204,102.743 v1(108.204,98.806) ; 95.604,107.411 96.237,107.411
  Bottom Layer w0.3: v1(98.425,107.315) 98.521,107.219 101.387,107.219 102.434,106.172 v1(102.743,106.172) ; v1@98.496,107.386 ccw(c98.898,107.788) 98.898,107.219 ; 102.045,106.561 ccw(c102.743,107.259) v1@102.743,106.272 ; U2.16@107.422,94.731 107.422,96.119 108.296,96.993 108.296,98.714 v1(108.204,98.806) ; v1@108.133,98.735 cw(c107.74,98.342) 108.296,98.342
MOTO_B: R23.1 U2.29 U5.2 | length 30
  Top Layer w0.3: U5.2@85.992,103.255 86.377,102.87 87.63,102.87 92.583,107.823 v1(94.617,107.823) R23.1@95.282,108.488 ; U5.2@86.752,102.779 cw(c86.972,102.559) 86.972,102.87 ; U5.2@86.752,102.956 ccw(c86.959,103.163) 86.959,102.87 ; R23.1@95.051,108.488 cw(c94.493,108.488) 94.887,108.094 cw(c95.282,107.699) R23.1@95.282,108.257 ; v1(97.536,106.045) 97.536,105.243 97.317,105.024 97.317,99.152 v1(98.552,97.917)
  Bottom Layer w0.3: v1(94.617,107.823) 96.266,107.823 97.536,106.553 v1(97.536,106.045) ; v1(98.552,97.917) 98.691,98.056 U2.29@102.097,98.056 ; v1@98.623,97.846 cw(c99.129,97.34) 99.129,98.056
MOTO_C: R22.1 U2.21 U5.3 | length 38.1
  Top Layer w0.3: U5.3@86.627,104.355 87.096,103.886 87.939,103.886 91.313,107.26 91.313,107.95 92.073,108.71 v1(93.472,108.71) R22.1@94.012,109.25 ; U5.3@87.387,104.056 ccw(c87.796,104.465) 87.796,103.886 ; v1@93.446,108.807 ccw(c93.337,109.216) R22.1@93.703,109.004 ; v1@93.569,108.684 cw(c93.977,108.575) 93.766,108.941 ; R22.1@93.781,109.25 cw(c93.223,109.25) 93.617,108.856 cw(c94.012,108.461) R22.1@94.012,109.019 ; v1(98.552,105.41) 98.552,100.076 99.06,99.568 105.283,99.568 v1(105.537,99.314) ; 104.682,99.568 cw(c104.682,98.459) v1@105.466,99.243 ; 105.407,99.568 cw(c105.407,99.184) v1@105.678,99.455
  Bottom Layer w0.3: v1(93.472,108.71) 96.141,108.71 98.552,106.299 v1(98.552,105.41) ; U2.21@104.922,94.731 104.922,97.028 104.922,97.429 105.918,98.425 105.918,98.933 v1(105.537,99.314)
MOTO_D: R21.1 U2.22 U5.4 | length 40.1
  Top Layer w0.3: U5.4@87.237,105.408 cw(c87.432,105.313) U5.4@87.432,105.529 ; U5.4@87.507,105.276 cw(c87.913,105.077) 87.913,105.529 ; U5.4@87.688,105.029 U5.4@87.262,105.455 87.337,105.529 88.875,105.529 ; U5.4@87.776,105.144 cw(c88.394,104.841) 88.394,105.529 ; U5.4@88.046,105.012 cw(c88.875,104.606) 88.875,105.529 ; R21.1@92.308,109.961 cw(c92.634,109.636) R21.1@92.761,110.078 ; R21.1@92.678,109.79 ccw(c92.474,109.075) v1(91.948,109.601) ; R21.1@92.742,110.012 92.359,110.012 v1(91.948,109.601) ; v1(97.917,104.775) 97.917,99.949 98.933,98.933 104.775,98.933 v1(105.029,98.679) ; 104.174,98.933 cw(c104.174,97.824) v1@104.958,98.608 ; 104.899,98.933 cw(c104.899,98.549) v1@105.17,98.82 ; 88.875,105.529 90.551,107.205 90.551,108.204 v1(91.948,109.601)
  Bottom Layer w0.3: v1(91.948,109.601) 92.519,109.601 92.742,109.379 92.742,108.966 92.872,108.836 92.872,108.462 94.146,107.188 95.381,107.188 95.516,107.323 96.059,107.323 96.936,106.446 96.936,105.796 97.287,105.445 97.755,105.445 97.917,105.283 v1(97.917,104.775) ; U2.22@104.422,94.731 104.422,97.595 104.422,97.835 105.029,98.442 v1(105.029,98.679) ; 104.691,98.104 ccw(c104.116,98.679) v1@104.929,98.679
MOTO_KEY1: U2.10
MOTO_KEY2: U2.2
NetBAT1_2: BAT1.2 D2.1 | length 34.8
  Top Layer w0.4: BAT1.2@108.25,94.534 109.819,92.964 ; BAT1.2@109.203,93.01 cw(c109.485,92.629) 109.819,92.964 ; v1(127.762,98.263) 127.712,98.313 125.252,98.313 124.729,97.79 119.412,97.79 114.586,92.964 109.819,92.964
  Bottom Layer w0.4: D2.1@119.761,101.67 120.961,102.87 123.155,102.87 v1(127.762,98.263) ; D2.1@119.811,102.02 ccw(c119.811,102.744) 120.323,102.232 ; D2.1@120.161,101.67 cw(c121.127,101.67) 120.444,102.353
NetC1_2: C1.2 R3.1 R4.2 U1.5 | length 5.2
  Top Layer w0.5: U1.5@62.337,111.313 R3.1@64.007,111.935 C1.2@64.833,113.177 R4.2@65.722,114.447 ; U1.5@62.48,111.518 ccw(c62.681,111.958) 62.85,111.504
NetC4_1: C4.1 U2.3 Y1.2 | length 10.5
  Bottom Layer w0.3: U2.3@110.247,100.556 112.141,100.556 113.312,101.727 Y1.2@114.817,101.727 114.935,101.845 C4.1@114.935,103.569 ; Y1.2@114.57,101.48 ccw(c113.972,100.882) 113.972,101.727 ccw(c113.972,102.572) Y1.2@114.57,101.974 ; Y1.2@114.57,102.374 ccw(c113.687,103.257) C4.1@114.935,103.257 ; C4.1@114.772,103.405 cw(c114.377,103.011) 114.935,103.011 cw(c115.493,103.011) C4.1@115.098,103.405 ; 114.935,102.687 ccw(c115.377,102.687) Y1.2@115.065,102.374
NetC5_1: C5.1 U2.4 Y1.1 | length 19.2
  Bottom Layer w0.3: U2.4@110.247,100.056 112.629,100.056 113.05,100.477 115.462,100.477 ; 115.842,100.857 cw(c116.962,99.737) Y1.1@117.327,101.278 ; 116.222,101.237 cw(c117.108,100.352) Y1.1@117.397,101.57 ; 116.602,101.617 cw(c117.253,100.966) Y1.1@117.466,101.862 ; C5.1@116.931,103.405 cw(c116.536,103.011) 117.094,103.011 cw(c117.652,103.011) C5.1@117.257,103.405 ; Y1.1@117.041,101.543 ccw(c116.712,101.341) 116.712,101.727 ; Y1.1@117.041,101.911 cw(c116.712,102.113) 116.712,101.727 ; 117.094,102.839 ccw(c118.051,102.839) Y1.1@117.374,102.162 ; C5.1@117.094,103.563 ccw(c118.775,103.563) Y1.1@117.586,102.374 ; C5.1@117.094,103.569 117.094,101.972 Y1.1@117.339,101.727 116.712,101.727 ; Y1.1@117.258,100.986 ccw(c116.816,99.123) 115.462,100.477 ; 115.462,100.477 116.712,101.727
NetC6_1: C6.1 R5.2 U2.5 Y2.3 | length 18.2
  Bottom Layer w0.3: U2.5@110.247,99.556 113.493,99.556 Y2.3@115.252,97.797 ; 114.452,98.597 cw(c113.428,97.573) Y2.3@114.877,97.573 ; 114.814,98.235 ccw(c115.327,98.747) Y2.3@115.327,98.023 ; Y2.3@114.964,98.085 cw(c114.452,97.573) Y2.3@115.177,97.573 ; Y2.3@115.008,97.891 ccw(c114.419,98.48) 115.252,98.48 ; C6.1@115.089,99.024 cw(c114.695,98.629) 115.252,98.629 cw(c115.81,98.629) C6.1@115.416,99.024 ; C6.1@115.252,98.838 ccw(c116.592,98.838) Y2.3@115.645,97.891 ; C6.1@115.252,99.418 ccw(c115.252,100.314) 115.886,99.68 ; 115.366,98.414 cw(c116.203,98.638) C6.1@115.453,99.072 ; Y2.3@115.477,97.573 Y2.3@115.252,97.797 ; 117.323,99.77 ccw(c118.173,100.62) R5.2@118.173,99.418 ; R5.2@118.173,99.187 117.906,99.187 117.175,99.918 116.124,99.918 115.393,99.187 C6.1@115.252,99.187 Y2.3@115.252,97.797
NetC11_1: C11.1 R5.1 U2.6 Y2.1 | length 24.5
  Bottom Layer w0.3: U2.6@110.247,99.056 113.034,99.056 113.792,98.298 113.792,97.282 114.681,96.393 118.249,96.393 ; 118.608,96.033 ccw(c119.12,96.546) Y2.1@119.12,95.821 ; Y2.1@118.67,95.372 ccw(c117.231,95.375) 118.249,96.393 ; Y2.1@118.759,95.882 cw(c118.25,95.373) Y2.1@118.97,95.372 ; R5.1@119.57,99.187 119.634,99.123 C11.1@121.031,99.123 121.031,98.983 121.762,98.252 121.762,96.743 120.39,95.371 Y2.1@119.27,95.371 118.249,96.393 ; R5.1@119.734,99.024 cw(c119.975,98.783) 119.975,99.123 ; R5.1@119.734,99.35 ccw(c120.281,99.898) 120.281,99.123 ; Y2.1@119.764,95.081 cw(c120.39,94.551) 120.39,95.371 cw(c120.39,96.192) Y2.1@119.764,95.662 ; C11.1@120.868,98.96 ccw(c120.473,98.566) 120.473,99.123 ccw(c120.473,99.681) C11.1@120.868,99.287 ; C11.1@121.262,99.123 ccw(c122.158,99.123) 121.524,98.49
NetD1_2: D1.2 D2.2 U2.1 | length 19.6
  Bottom Layer w0.3: U2.1@110.247,101.556 111.716,101.556 113.411,103.251
  Bottom Layer w0.4: 113.411,103.251 113.411,105.156 114.173,105.918 117.913,105.918 D2.2@119.761,104.07 D1.2@122.174,104.07 ; 119.078,104.753 cw(c118.395,104.07) D2.2@119.361,104.07 ; 119.199,104.632 ccw(c119.711,105.144) D2.2@119.711,104.42 ; D2.2@120.058,103.823 cw(c120.656,103.225) 120.656,104.07 cw(c120.656,104.915) D2.2@120.058,104.318 ; D1.2@121.877,103.823 ccw(c121.279,103.225) 121.279,104.07 ccw(c121.279,104.915) D1.2@121.877,104.318
NetDS1_2: DS1.2 L3.1 U3.2 | length 21.2
  Top Layer w0.5: L3.1@118.661,105.692 cw(c118.661,101.467) 121.649,104.455 ; L3.1@118.661,106.192 cw(c118.661,103.174) 120.795,105.308 ; L3.1@118.661,106.692 cw(c118.661,104.881) 119.942,106.162 ; L3.1@118.661,107.442 122.428,103.676 U3.2@122.428,101.558 122.493,101.493 122.493,100.138 122.936,99.695 124.7,99.695 DS1.2@126.365,101.36 ; L3.1@119.661,106.692 ccw(c120.265,106.692) L3.1@119.838,106.265
NetL1_1: L1.1 U1.3 | length 3.6
  Top Layer w0.5: U1.3@62.516,108.257 L1.1@64.336,106.84 ; 63.271,107.669 cw(c62.704,106.941) L1.1@63.62,107.055 ; 63.358,107.601 ccw(c63.829,108.206) L1.1@63.924,107.445
NetLED1_K1: LED1.K1 R14.2 | length 15.4
  Bottom Layer w0.3: LED1.K1@83.225,98.474 cw(c82.748,97.107) 84.052,97.736 cw(c85.357,98.365) LED1.K1@83.989,98.843 ; LED1.K1@83.423,99.041 84.455,96.901 85.909,96.301 90.717,95.156 92.456,94.996 R14.2@94.107,94.996 ; R14.2@93.944,94.833 ccw(c93.549,94.438) 93.549,94.996 ccw(c93.549,95.554) R14.2@93.944,95.159